# Altium PCB RHR075_GFC_ECAT_DNET_RS485_ALL_rev5.PcbDoc (part 1 of 4)
Units mil, origin at the board's own origin, x right, y up, seen from the top; angles counter-clockwise.
Board outline 4724.41 x 5905.51 mil, 4 copper layers (Top Layer, GND, Mid-Layer 1, Bottom Layer); 386 components, 228 nets, 1523 pads, 966 vias.
Unrouted connection lines stored in the file: 1.
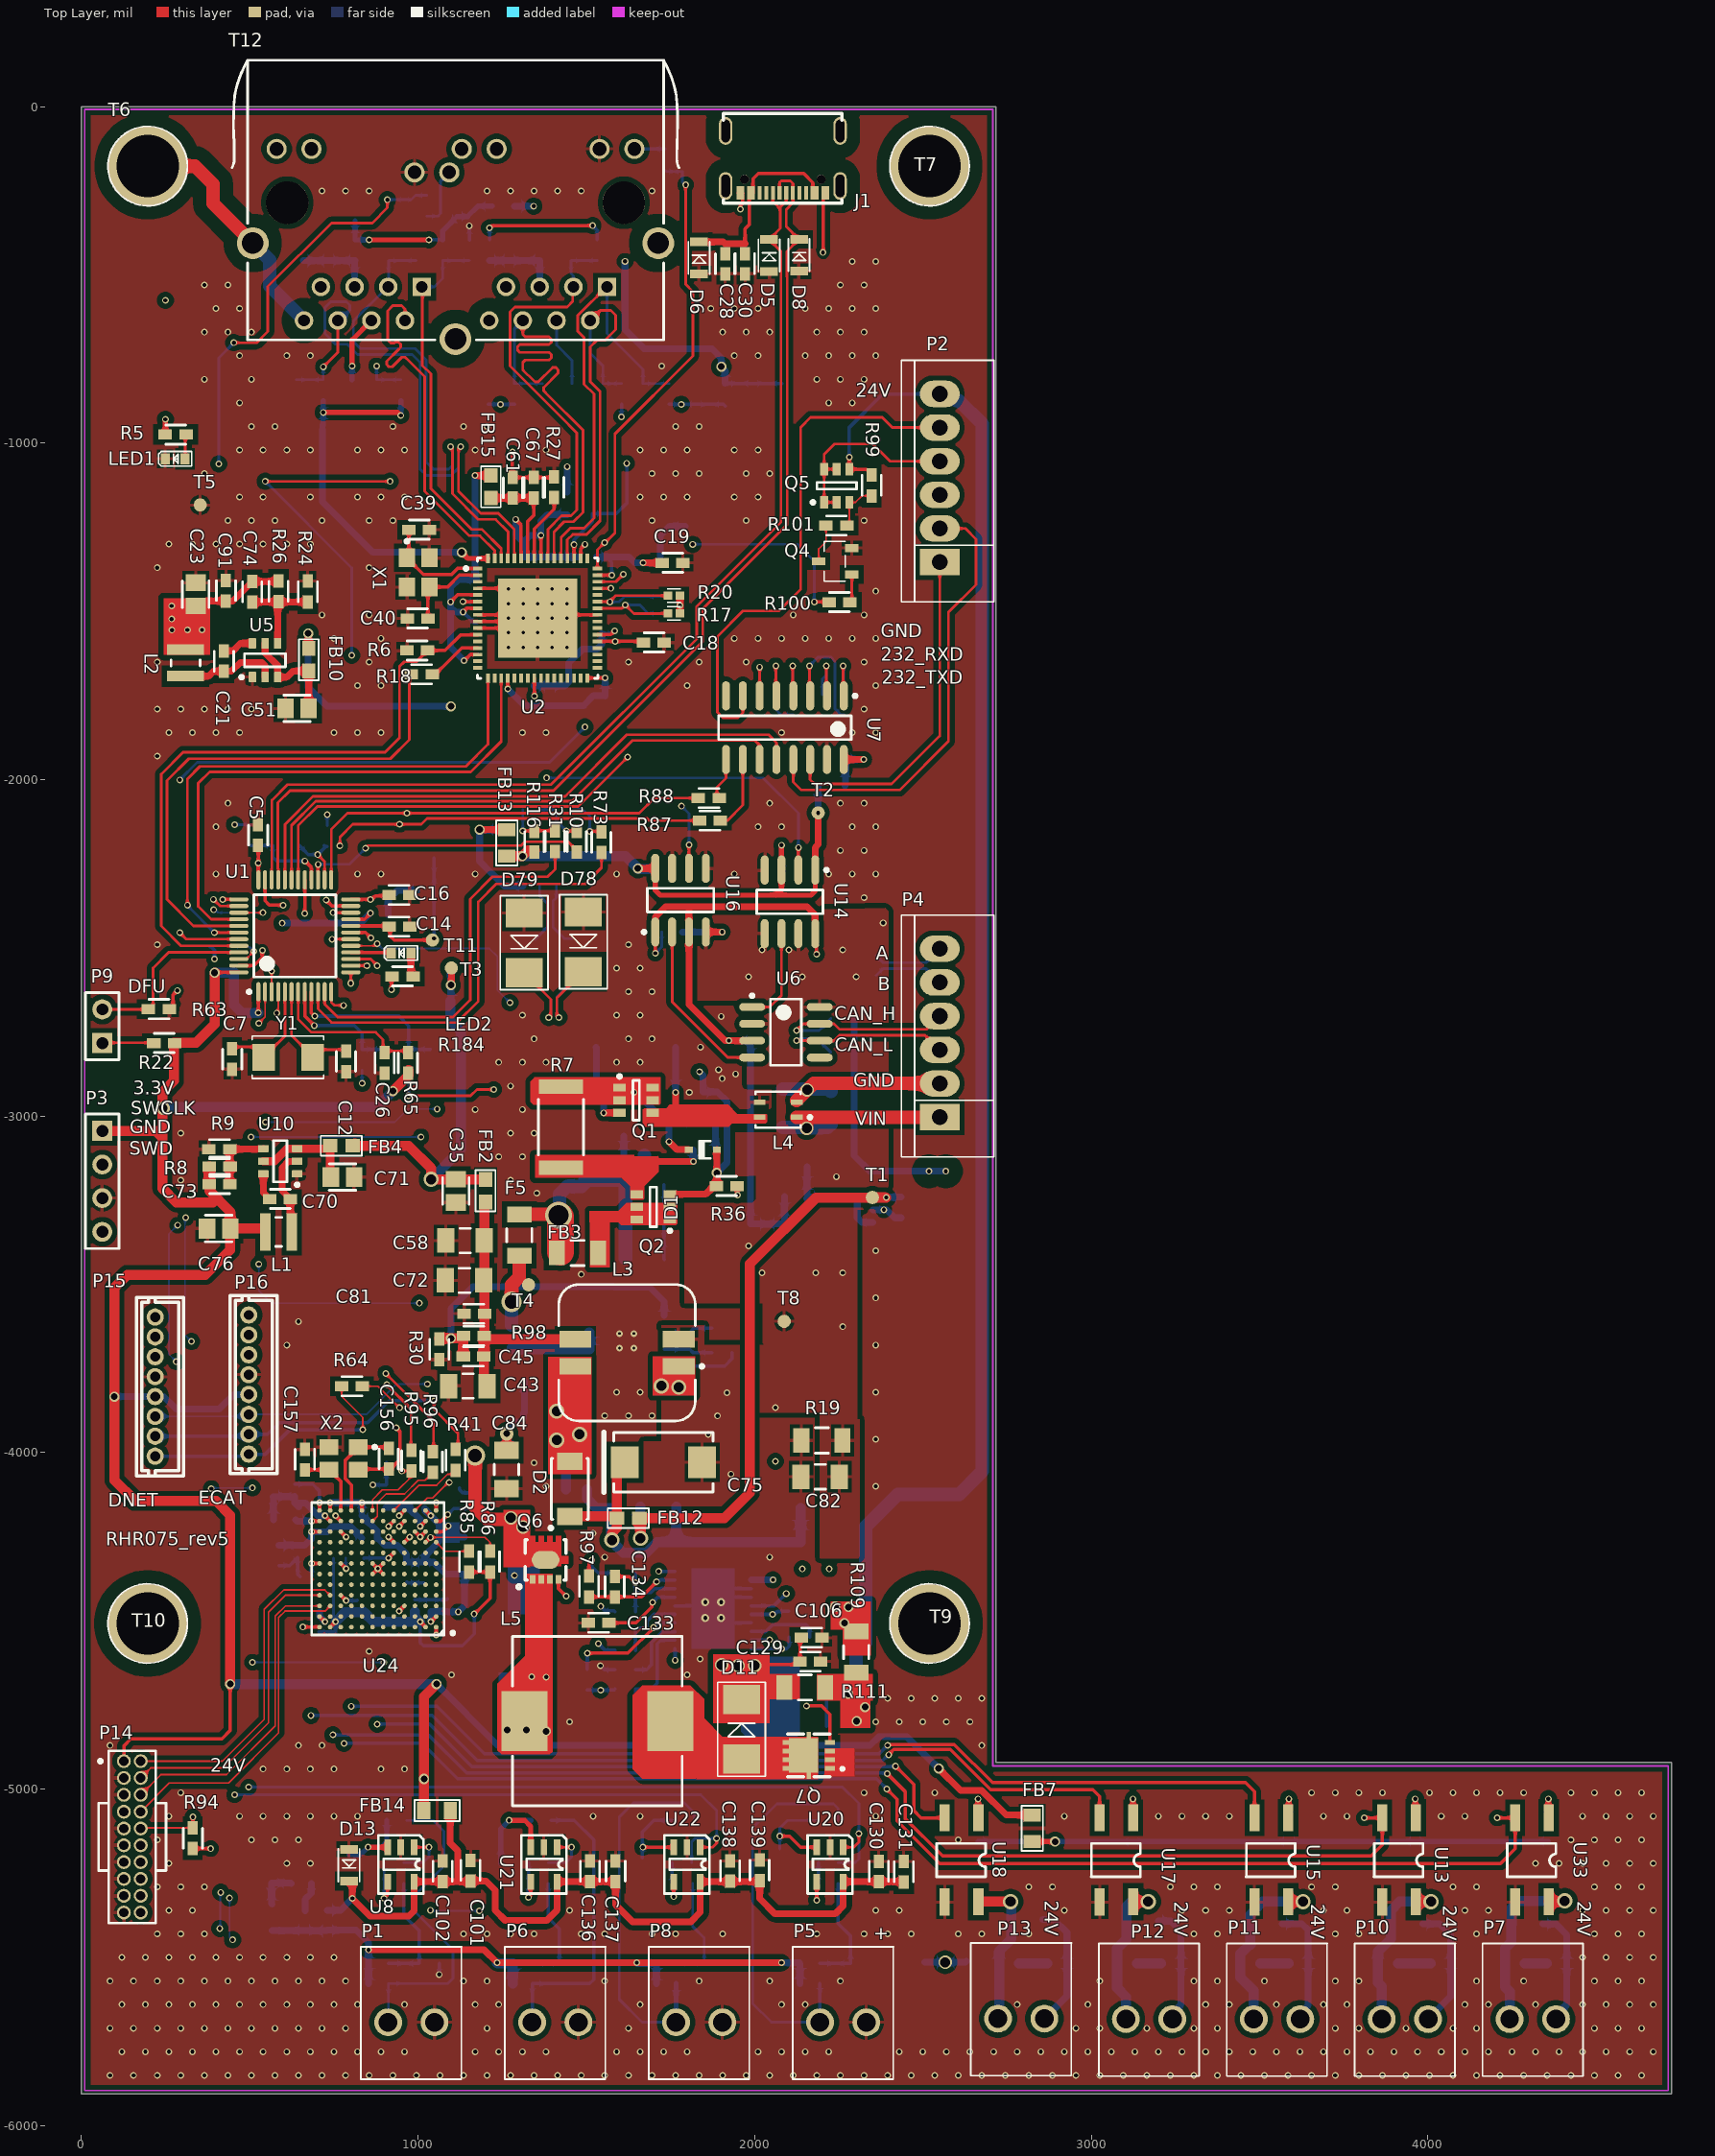
[diagram p0: Top Layer view]
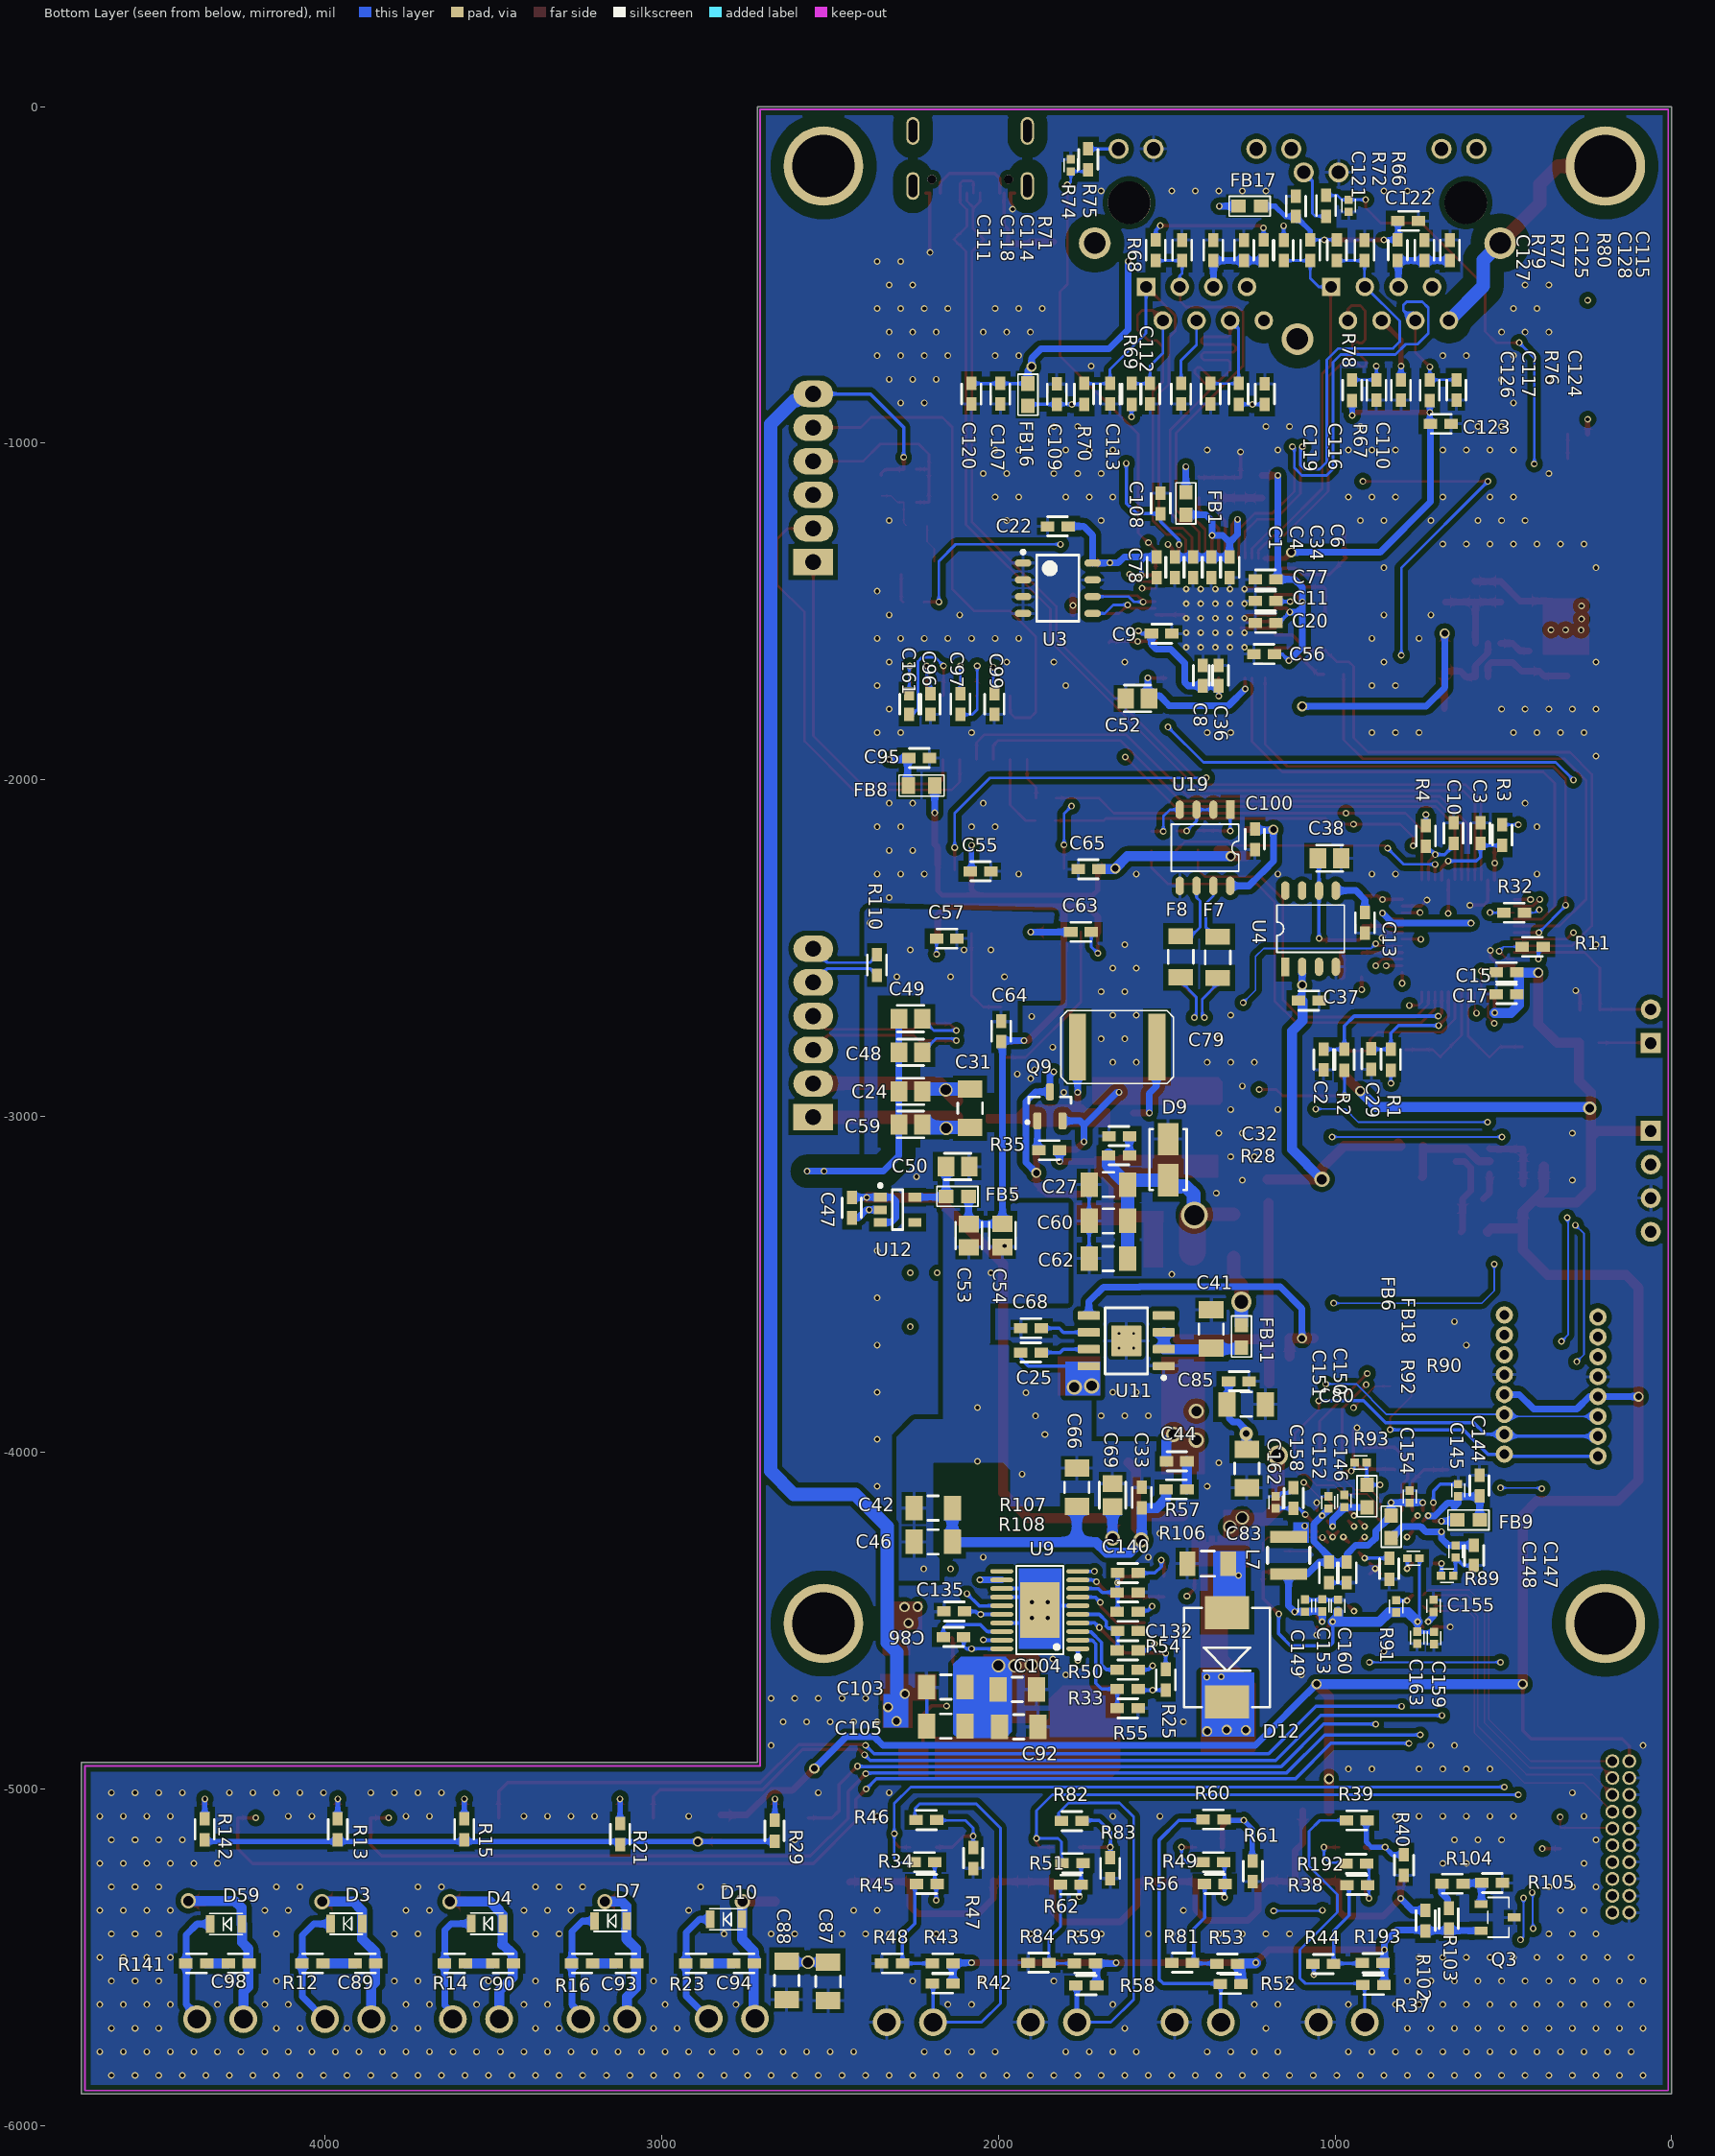
[diagram p1: Bottom Layer view, seen from below]
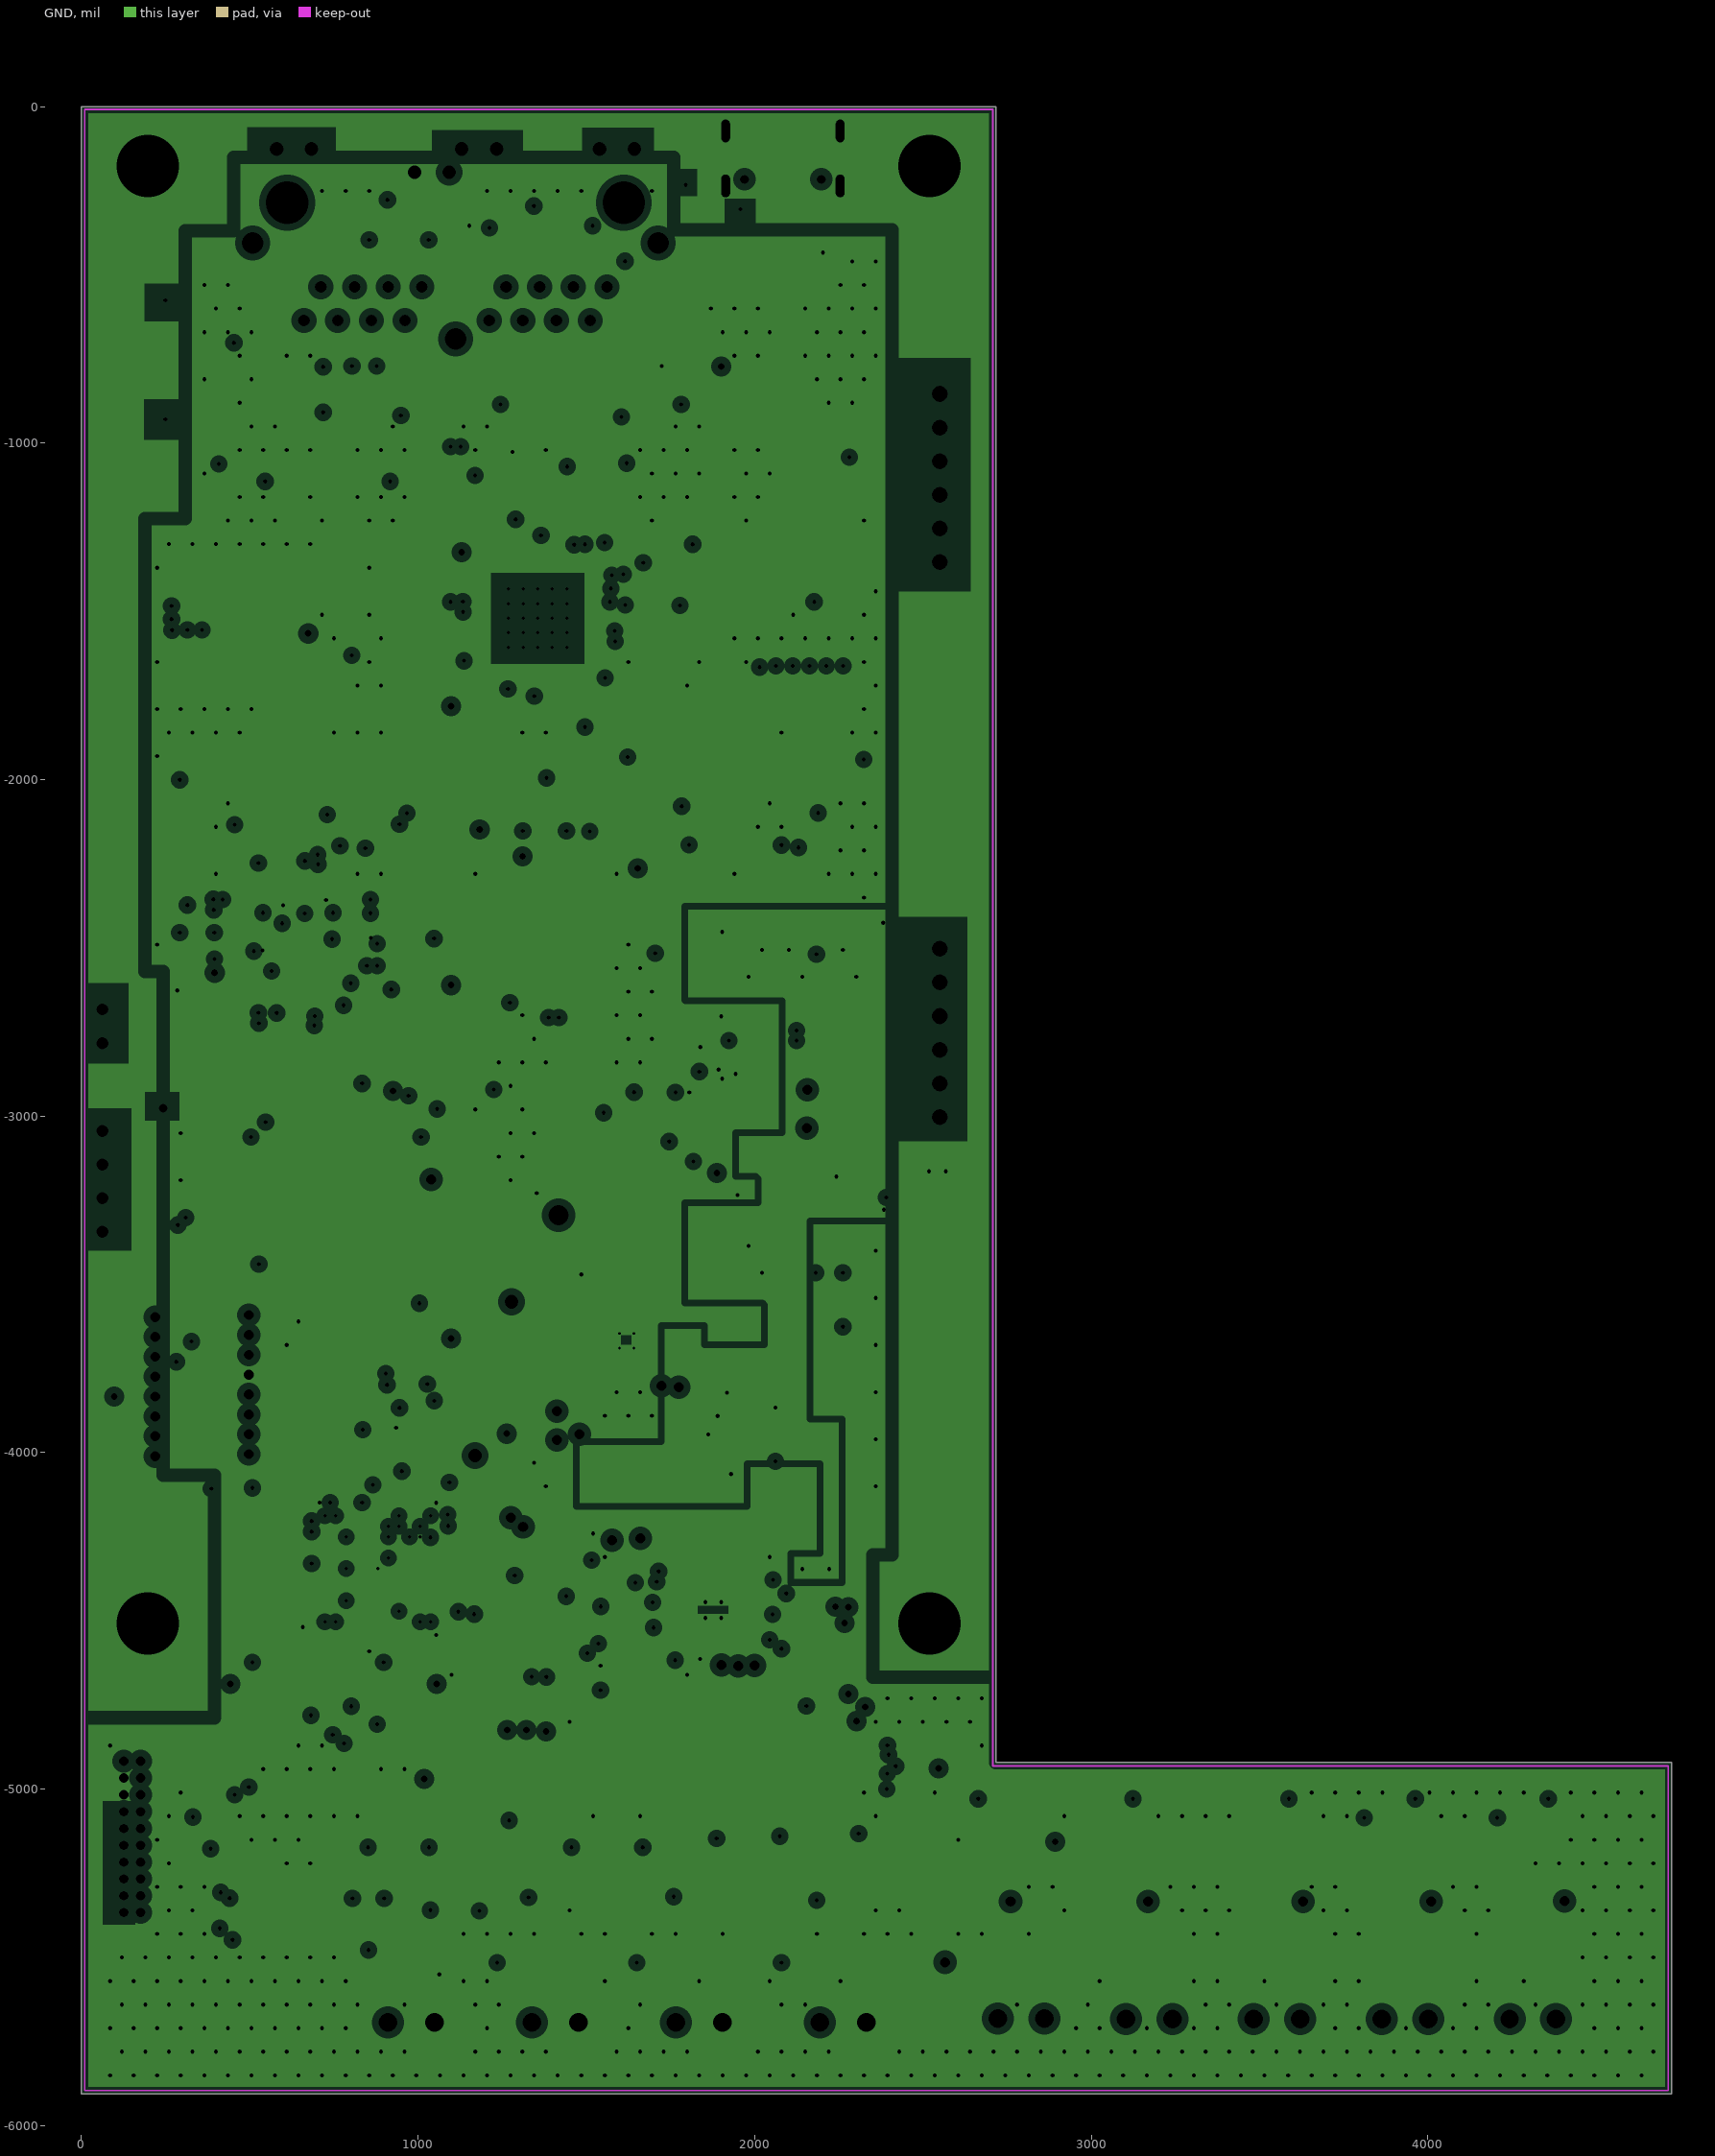
[diagram p2: GND, clearances drawn from the general rule]